# Altium PCB Dust1_Motherboard_STM32WBA5MMG.PcbDoc (part 2 of 2)
Units mm, origin at the board's own origin, x right, y up, seen from the top; angles counter-clockwise.
Board outline 31 x 35.5 mm, 6 copper layers (Top Layer (Signal), Layer 1 (GND), Layer 2 (Signal), Layer 3 (PWR), Layer 4 (GND), Bottom Layer (Signal)), stack 1.49 mm thick; 68 components, 73 nets, 340 pads, 254 vias.
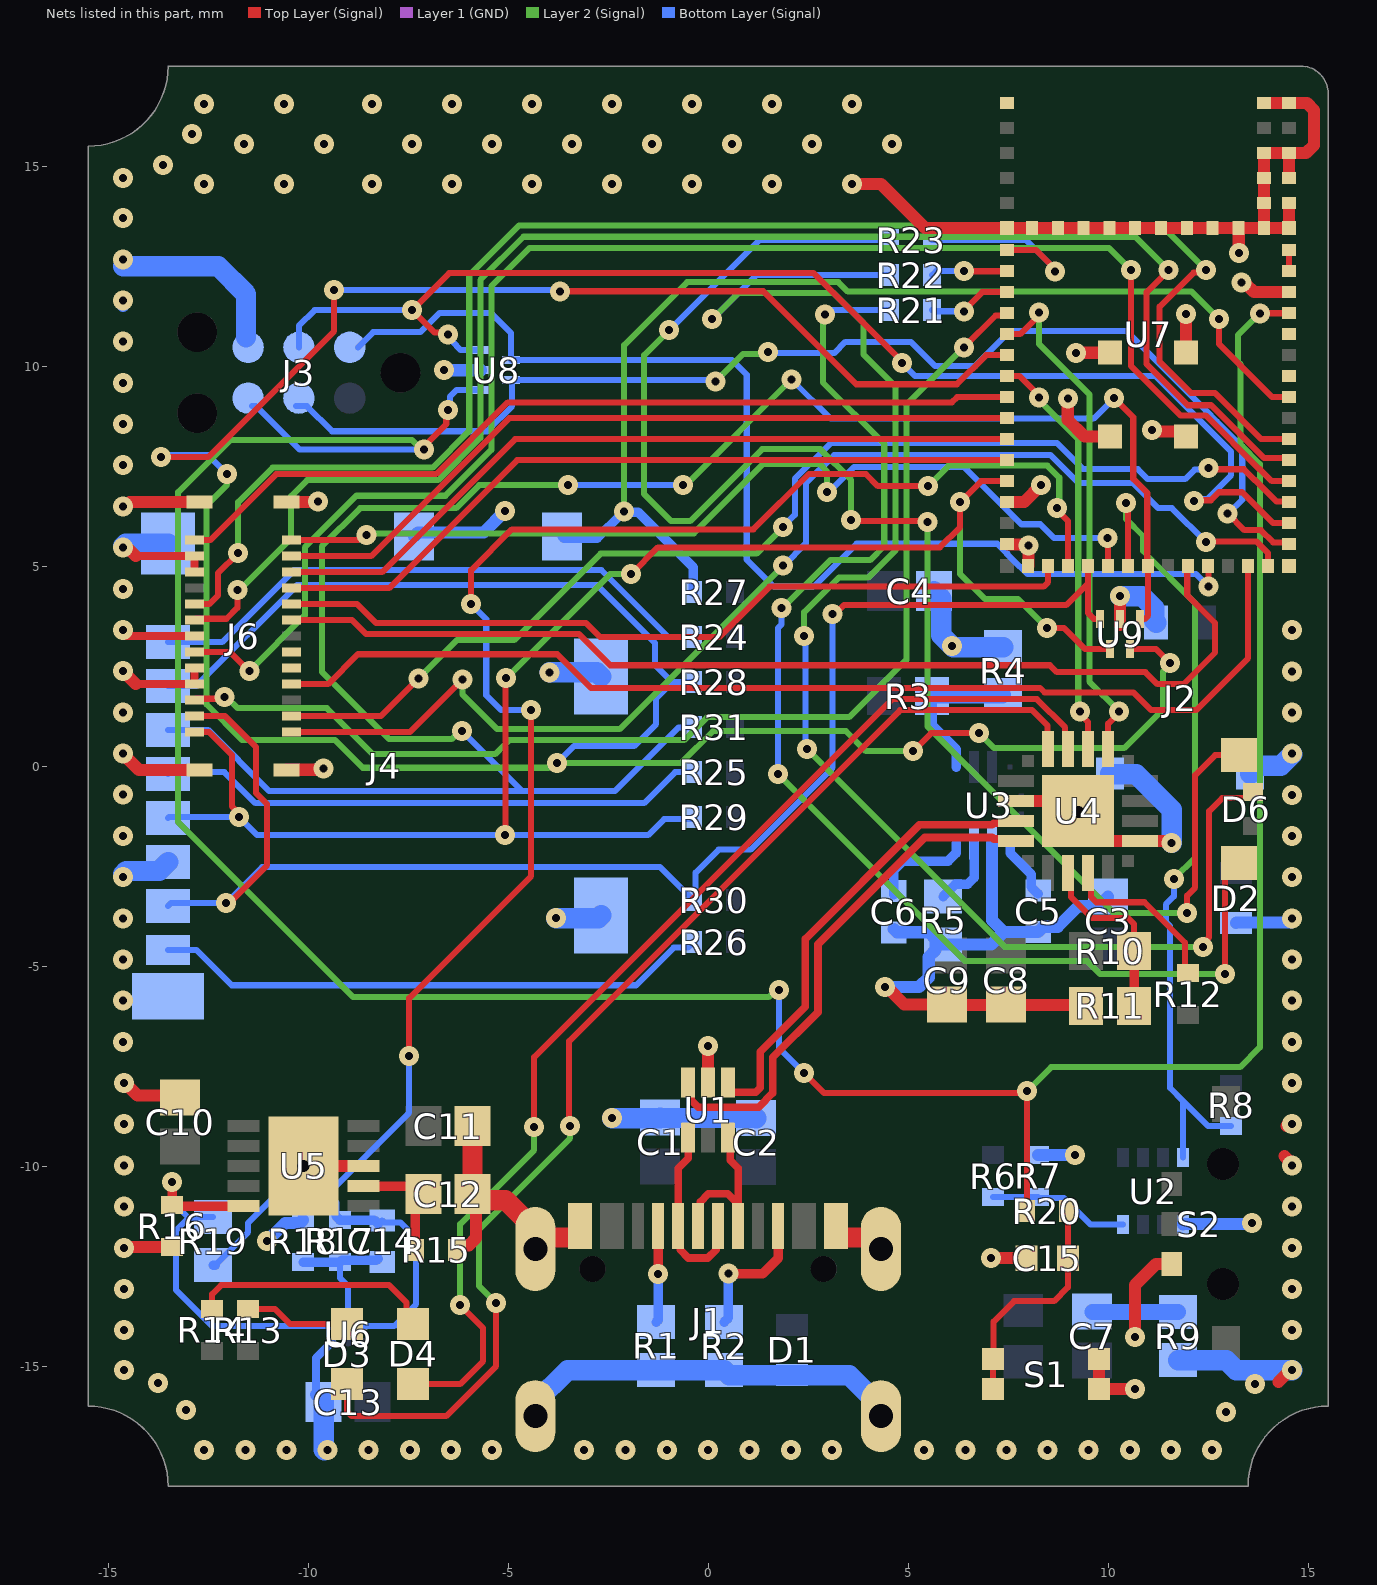
[diagram p6: the nets of this part, all layers, seen from the top]

## Via types
v1: diameter 0.5, hole 0.2, Top Layer (Signal) to Bottom Layer (Signal), tented both sides, 251 vias
v2: diameter 0.7, hole 0.3, Top Layer (Signal) to Bottom Layer (Signal), tented bottom, 2 vias
v3: diameter 0.5, hole 0.2, Top Layer (Signal) to Bottom Layer (Signal), tented bottom, 1 vias

## Nets (pads, with @x,y where several pads share a name; then routed paths per layer and width w, separated by ;. In a path a pad name is that pad's centre, name@x,y a point inside that pad or via, vN(x,y) a via of type N, cw(c..) or ccw(c..) an arc to the next point about the centre after c; other vN are vias at no path point) (continued)
GND: C1.1 C2.1 C3.1 C4.1 C5.2 C6.2 C8.1 C9.1 C10.1 C11.2 C12.1 C13.1 C15.1 D1.2 D2.2 J1.A1_B12 J1.B1_A12 J1.SH1 J1.SH2 J1.SH3 J1.SH4 J2.2 J2.S1 J2.S2 J3.6 J4.6 J4.CD2 J4.G1 J4.G2 J4.G3 J4.G4 J6.17 J6.18 J6.20 J6.24 J6.25 J6.P1 J6.P2 J6.P3 J6.P4 R1.2 R2.1 R4.2 R5.2 R7.2 R9.1 R11.2 R15.2 R16.2 R18.2 S1.A1 S1.A2 S2.1 U1.2 U2.1 U3.8 U4.3 U4.12 U4.21 U5.8 U5.11 U6.A2 U7.1 U7.6 U7.19 U7.21 U7.23 U7.36 U7.45 U7.47 U7.49 U7.52 U7.53 U7.54 U7.55 U7.57 U7.58 U7.60 U7.61 U7.62 U7.63 U7.64 U7.65 U7.66 U7.67 U7.68 U7.69 U7.70 U7.71 U7.72 U7.73 U7.74 U7.75 U7.76 U8.2 U9.2 | length 124.8
  Top Layer (Signal) w0.2: v1@-14.625,3.3 -14.575,3.25 J6.20@-12.838,3.25 ; -14.307,2.05 J6.17@-12.838,2.05 J6.18@-12.838,2.45 ; -14.307,5.25 J6.25@-12.838,5.25 J6.24@-12.838,4.85
  Top Layer (Signal) w0.305: v1@-14.625,0.3 -14.225,-0.1 J6.P1@-12.71,-0.1 ; v1@-14.625,2.3 -14.557,2.3 -14.307,2.05 ; v1@-14.625,5.5 -14.557,5.5 -14.307,5.25 ; v1@-14.625,6.5 -14.557,6.5 -14.457,6.6 J6.P2@-12.71,6.6 ; v1@-14.6,-12.1 -14.556,-12.1 -14.481,-12.025 R16.2@-13.4,-12.025 ; v1@-14.6,-7.9 -14.268,-8.231 -13.259,-8.231 C10.1@-13.2,-8.29 ; J6.P3@-10.54,-0.1 -10.532,-0.092 -9.646,-0.092 v1(-9.617,-0.063) ; J6.P4@-10.54,6.6 v1@-9.771,6.6 ; v2(-10.11,-10) U5.8@-8.61,-10 ; R15.2@-6.275,-12.1 -6.275,-12.05 -6.202,-11.977 -5.979,-11.977 -5.8,-11.799 -5.8,-10.79 C12.1@-5.89,-10.7 ; U1.2@0,-7.91 v1(0,-7) ; v1(3.6,14.55) 4.325,14.55 5.425,13.45 U7.6@7.475,13.45 U7.72@8.1,13.45 U7.71@8.744,13.45 U7.70@9.389,13.45 U7.69@10.033,13.45 U7.68@10.678,13.45 U7.67@11.322,13.45 U7.66@11.967,13.45 U7.65@12.611,13.45 U7.64@13.256,13.45 ; v1(4.425,-5.525) 4.47,-5.525 4.905,-5.96 5.675,-5.96 5.685,-5.97 C8.1@7.2,-5.97 ; v1(7.075,-12.3) C15.1@7.955,-12.3 ; C8.1@7.2,-5.96 7.215,-5.975 9.425,-5.975 R11.2@9.45,-6 ; U7.21@7.475,5.55 7.484,5.541 7.997,5.541 8.006,5.531 v1(8.006,5.517) 8.006,5.006 U7.23@8,5 ; U7.19@7.475,6.6 7.477,6.602 7.902,6.602 v1(8.325,7.025) ; U4.3@7.7,-0.875 8.993,-0.875 v2(9.263,-1.145) 9.991,-1.873 10.798,-1.873 U4.12@10.8,-1.875 11.49,-1.875 11.535,-1.92 v1(11.588,-1.92) ; v1(8.992,9.192) 8.992,8.658 9.41,8.24 U7.74@10.05,8.24 ; v1(9.2,10.325) 9.208,10.333 10.042,10.333 U7.73@10.05,10.34 ; v1@9.6,-17.1 v1@9.6,-17.047 ; S1.A2@9.775,-14.825 S1.A1@9.775,-15.575 v1(10.675,-15.575) ; U9.2@10.3,3.525 U9.2@10.3,3.675 v1(10.3,4.25) ; v1(10.675,-14.275) 10.675,-12.975 11.2,-12.45 S2.1@11.595,-12.45 ; v1(11.1,8.4) 11.137,8.363 11.827,8.363 U7.75@11.95,8.24 ; U7.76@11.95,10.34 v1(11.95,11.3) ; v1(13.275,12.825) 13.265,12.835 13.265,13.44 U7.64@13.256,13.45 ; v1(13.337,12.097) 13.374,12.059 13.442,12.059 13.649,11.852 14.523,11.852 U7.49@14.525,11.85 ; U7.58@13.9,16.575 U7.57@14.525,16.575 14.969,16.575 15.148,16.396 15.148,15.523 14.95,15.325 U7.55@14.525,15.325 ; 14.256,-15.4 14.556,-15.1 v1(14.6,-15.1) ; 14.406,-9.75 14.556,-9.9 v1@14.6,-9.9 ; v1@14.456,-9 14.556,-8.9 v1@14.6,-8.9 ; U7.45@14.525,9.75 U7.45@14.527,9.752 ; U7.53@14.525,14.075 U7.52@14.525,13.45 U7.63@13.9,13.45 ; U7.54@14.525,14.7 U7.55@14.525,15.325 ; U7.64@13.256,13.45 U7.63@13.9,13.45 ; U7.63@13.9,13.45 U7.62@13.9,14.075 U7.61@13.9,14.7 U7.60@13.9,15.325 U7.55@14.525,15.325
  Top Layer (Signal) w0.508: C12.1@-5.89,-10.7 C11.2@-5.89,-9 ; C12.1@-5.8,-10.79 -5.74,-10.85 -5.065,-10.85 -4.32,-11.595 J1.SH1@-4.32,-12.06 ; J1.SH1@-4.32,-12.07 J1.SH1@-4.32,-12.06 ; J1.A1_B12@-3.2,-11.495 -3.2,-11.683 -3.3,-11.783 -4.043,-11.783 J1.SH1@-4.32,-12.06 ; J1.B1_A12@3.2,-11.495 3.2,-11.683 3.3,-11.783 4.043,-11.783 4.32,-12.06 J1.SH2@4.32,-12.07
  Bottom Layer (Signal) w0.2: C13.1@-9.8,-15.71 -9.8,-14.8 U6.A2@-9.4,-14.4
  Bottom Layer (Signal) w0.305: v1(-11.025,-11.875) -10.573,-11.423 -10.198,-11.423 R18.2@-10.125,-11.35 ; C13.1@-9.8,-15.71 C13.1@-9.61,-15.9 ; J4.CD2@-7.35,5.74 -7.25,5.84 -5.61,5.84 v1(-5.075,6.375) ; v1(-6.601,9.898) U8.2@-5.676,9.899 ; v1(4.425,-5.525) 5.275,-5.525 5.517,-5.283 5.517,-4.768 5.685,-4.6 5.685,-4.32 5.517,-4.152 4.721,-4.152 C6.2@4.638,-4.07 ; R5.2@5.875,-4.46 7.075,-4.46 7.39,-4.145 ; U3.8@7.1,-1.927 7.1,-3.855 7.39,-4.145 ; R7.2@8.25,-9.725 v1(9.175,-9.725) ; C3.1@10,-3.265 9.761,-3.504 9.252,-3.504 8.742,-4.014 8.381,-4.014 C5.2@8.25,-4.145 7.39,-4.145 ; U2.1@11.875,-11.463 11.875,-11.446 11.877,-11.444 13.581,-11.444 v1(13.6,-11.425) ; D2.2@13.2,-3.925 13.212,-3.913 14.587,-3.913 v1@14.6,-3.9
  Bottom Layer (Signal) w0.508: v1@-14.625,-2.7 -14.545,-2.62 -13.725,-2.62 J4.6@-13.5,-2.395 ; v1@-14.625,5.5 -14.56,5.565 J4.G1@-13.5,5.565 ; v1@-14.625,12.5 -12.25,12.5 -11.553,11.803 J3.6@-11.553,10.725 ; C13.1@-9.61,-15.9 -9.61,-17.09 v1@-9.6,-17.1 ; J1.SH3@-4.32,-16.25 -4.32,-15.906 -3.514,-15.1 R1.2@-1.3,-15.1 R2.1@0.4,-15.1 0.525,-15.225 D1.2@2.1,-15.225 3.533,-15.225 4.32,-16.012 J1.SH4@4.32,-16.25 ; v1(-3.963,2.343) -3.959,2.347 -2.782,2.347 J4.G4@-2.675,2.24 ; v1(-3.8,-3.8) -2.745,-3.8 J4.G3@-2.675,-3.73 ; v1(-2.4,-8.8) -1.21,-8.8 C1.1@-1.2,-8.79 -1.195,-8.795 1.195,-8.795 C2.1@1.2,-8.8 ; C4.1@5.645,4.375 5.827,4.193 5.827,3.273 6.125,2.975 R4.2@7.375,2.975 ; J2.S2@10.05,-0.188 10.062,-0.2 10.7,-0.2 11.588,-1.088 v1(11.588,-1.92) ; v1(10.3,4.25) 10.856,4.25 11.154,3.952 11.154,3.633 J2.2@11.2,3.587 ; R9.1@11.75,-14.85 12.95,-14.85 13.2,-15.1 v1(14.6,-15.1) ; J2.S1@13.55,-0.188 13.55,-0.138 13.7,0.013 14.313,0.013 v1@14.6,0.3
  other v1: -12.6,-17.1 -11.571,-17.1 -10.543,-17.1 -9.514,-17.1 -8.486,-17.1 -7.457,-17.1 -6.429,-17.1 -5.4,-17.1 -3.1,-17.1 -2.067,-17.1 -1.033,-17.1 0,-17.1 1.033,-17.1 2.067,-17.1 3.1,-17.1 5.4,-17.1 6.429,-17.1 7.457,-17.1 8.486,-17.1 9.514,-17.1 10.543,-17.1 11.571,-17.1 12.6,-17.1 12.95,-16.15 -13.05,-16.1 13.675,-15.45 -13.75,-15.425 -14.6,-15.1 -14.6,-14.1 14.6,-14.1 -14.6,-13.07 14.6,-13.071 -14.6,-12.041 14.6,-12.041 -14.6,-11.011 14.6,-11.012 -14.6,-9.981 14.6,-9.982 -14.6,-8.952 14.6,-8.953 -14.6,-7.922 14.6,-7.924 -14.625,-6.893 14.6,-6.894 -14.625,-5.863 14.6,-5.865 -14.625,-4.833 14.6,-4.835 -14.625,-3.804 14.6,-3.806 -14.625,-2.774 14.6,-2.776 14.6,-1.747 -14.625,-1.744 -14.625,-0.715 14.6,-0.718 14.6,0.312 -14.625,0.315 -14.625,1.344 14.6,1.341 -14.625,2.374 14.6,2.371 6.1,3 -14.625,3.404 14.6,3.4 -14.625,4.433 -14.625,5.463 -14.625,6.493 -9.75,6.621 -14.625,7.522 -14.625,8.552 -14.625,9.581 -14.625,10.611 -14.625,11.641 -14.625,12.67 -14.625,13.7 -12.6,14.55 -10.6,14.55 -8.4,14.55 -6.4,14.55 -4.4,14.55 -2.4,14.55 -0.4,14.55 1.6,14.55 -14.625,14.7 -13.625,15.025 -11.6,15.55 -9.6,15.55 -7.4,15.55 -5.4,15.55 -3.4,15.55 -1.4,15.55 0.6,15.55 2.6,15.55 4.6,15.55 -12.9,15.8 -12.6,16.55 -10.6,16.55 -8.4,16.55 -6.4,16.55 -4.4,16.55 -2.4,16.55 -0.4,16.55 1.6,16.55 3.6,16.55
HFb1: J6.21 U7.41 | length 39
  Top Layer (Signal) w0.152: J6.21@-12.838,3.65 -12.804,3.684 -12.041,3.684 -11.77,3.955 v1(-11.77,4.4) ; v1(11.513,12.4) 10.964,11.851 10.964,10.049 11.99,9.023 12.576,9.023 13.898,7.7 14.475,7.7 U7.41@14.525,7.65
  Layer 2 (Signal) w0.152: v1(-11.77,4.4) -11.725,4.4 -10.425,5.7 -10.425,6.75 -10.025,7.15 -6.75,7.15 -5.694,8.206 -5.694,12.156 -4.615,13.235 10.678,13.235 v1(11.513,12.4)
HFb2: J6.22 U7.42 | length 40
  Top Layer (Signal) w0.152: J6.22@-12.838,4.05 -12.467,4.05 -12.254,4.263 -12.254,4.821 v1(-11.75,5.325) ; v1(12.45,12.4) 12.389,12.339 12.139,12.339 11.287,11.487 11.287,10.113 12.075,9.325 12.675,9.325 13.825,8.175 U7.42@14.525,8.175
  Layer 2 (Signal) w0.152: v1(-11.75,5.325) -11.75,6.603 -10.888,7.465 -6.887,7.465 -5.971,8.381 -5.971,12.271 -4.73,13.512 11.338,13.512 v1(12.45,12.4)
ILIM: R16.1 R19.1 U5.5 U6.A1 | length 10.6
  Top Layer (Signal) w0.237: R16.1@-13.4,-10.975 -13.375,-11 U5.5@-11.61,-11 ; v1(-13.4,-10.4) -13.4,-10.95 R16.1@-13.387,-10.963
  Bottom Layer (Signal) w0.152: v1(-13.4,-10.4) -13.4,-10.879 -13.004,-11.275 ; R19.1@-12.774,-11.275 R19.1@-12.375,-11.275 -12.764,-11.275 -12.774,-11.285 -12.774,-11.289 -12.989,-11.289 -13.3,-11.6 -13.3,-13.1 -12.4,-14 U6.A1@-9.4,-14
LT3045_IOUT: C14.2 R17.1 R19.2 U6.C1 U7.25 | length 47
  Top Layer (Signal) w0.152: v1(-7.475,-7.25) -7.475,-5.8 -4.425,-2.75 v1(-4.425,1.4) ; v1(-5.925,4.05) -5.925,4.9 -4.908,5.917 1.133,5.917 2.519,7.303 3.944,7.303 4.245,7.002 v1(5.495,7.002) ; v1(8.725,6.45) 8.725,6.399 9,6.124 U7.25@9,5
  Layer 2 (Signal) w0.152: v1(5.495,7.002) 5.502,7.002 6.012,7.512 8.479,7.512 8.778,7.213 8.778,6.503 v1(8.725,6.45)
  Bottom Layer (Signal) w0.152: R19.2@-12.325,-12.475 -11.501,-11.651 -11.501,-11.418 -10.782,-10.7 -9.511,-10.7 ; R17.1@-9.297,-11.258 -9.297,-10.914 -9.511,-10.7 ; U6.C1@-8.6,-14 -7.85,-14 -7.3,-13.45 -7.3,-11.8 -7.693,-11.407 -8.098,-11.407 C14.2@-8.15,-11.355 ; v1(-7.475,-7.25) -7.475,-8.664 -9.511,-10.7 ; v1(-5.925,4.05) -5.548,3.673 -5.548,1.773 -5.175,1.4 v1(-4.425,1.4)
  Bottom Layer (Signal) w0.237: R19.2@-12.375,-12.475 R19.2@-12.325,-12.475 ; R17.1@-9.297,-11.258 R17.1@-9.205,-11.35 -8.341,-11.35 -8.25,-11.441 C14.2@-8.25,-11.455
MUX_STATUS: R8.1 U2.8 U7.28 | length 20.6
  Top Layer (Signal) w0.152: v1(10.45,6.575) 10.5,6.525 U7.28@10.5,5
  Layer 2 (Signal) w0.152: v1(10.45,6.575) 10.45,6.175 10.871,5.754 10.871,5.379 12.175,4.075 12.175,-2.287 v1(11.644,-2.818)
  Bottom Layer (Signal) w0.152: v1(11.644,-2.818) 11.644,-3.258 11.446,-3.456 11.446,-3.894 11.547,-3.995 11.547,-8.046 11.875,-8.374 ; U2.8@11.875,-9.787 11.875,-8.374 ; R8.1@13.075,-9 12.501,-9 11.875,-8.374
NetC5_1: C5.1 U3.7 | length 1.6
  Bottom Layer (Signal) w0.237: U3.7@7.55,-1.927 7.55,-2.175 8.076,-2.701 8.076,-3.021 C5.1@8.25,-3.195
NetC6_1: C6.1 U3.10 | length 2.6
  Bottom Layer (Signal) w0.237: C6.1@4.638,-3.21 4.638,-2.612 4.875,-2.375 6,-2.375 6.2,-2.175 U3.10@6.2,-1.927
NetC7_1: C7.1 R9.2 | length 2.1
  Bottom Layer (Signal) w0.4: C7.1@9.61,-13.65 R9.2@11.75,-13.65
NetC12_2: C12.2 R15.1 U5.7 | length 3.1
  Top Layer (Signal) w0.237: U5.7@-8.61,-10.5 -7.31,-10.5 C12.2@-7.11,-10.7 -7.325,-10.915 R15.1@-7.325,-12.1
NetC14_1: C14.1 R17.2 R18.1 U6.B1 | length 3.6
  Bottom Layer (Signal) w0.152: R17.2@-9.205,-12.4 -9.205,-12.795 -9,-13 U6.B1@-9,-14
  Bottom Layer (Signal) w0.237: R18.1@-10.125,-12.4 R17.2@-9.205,-12.4 -9.163,-12.358 -8.293,-12.358 C14.1@-8.25,-12.315
NetC15_2: C15.2 R20.1 S1.B1 S1.B2 | length 5.8
  Top Layer (Signal) w0.152: S1.B1@7.125,-15.575 S1.B2@7.125,-14.825 7.139,-14.811 7.139,-13.886 7.65,-13.375 8.65,-13.375 8.995,-13.03 C15.2@8.995,-12.3 R20.1@8.995,-11.13
NetD3_1: D3.1 R13.1 | length 2.6
  Top Layer (Signal) w0.152: R13.1@-11.5,-13.575 -10.825,-13.575 -10.45,-13.95 D3.1@-9.025,-13.95
NetD3_2: D3.2 U4.20 | length 30.4
  Top Layer (Signal) w0.152: D3.2@-9.025,-15.45 -9.025,-16.137 -8.912,-16.25 -6.55,-16.25 -5.3,-15 v1(-5.3,-13.425) ; v1(-3.45,-9) -3.475,-8.975 -3.475,-6.875 4.8,1.4 8.1,1.4 8.488,1.012 8.488,0.437 U4.20@8.5,0.425
  Layer 2 (Signal) w0.152: v1(-5.3,-13.425) -5.725,-13 -5.725,-11.575 -3.451,-9.301 v1@-3.451,-9.001
NetD4_1: D4.1 R14.1 | length 6.1
  Top Layer (Signal) w0.152: R14.1@-12.4,-13.575 -12.4,-13.2 -12.175,-12.975 -7.975,-12.975 -7.539,-13.411 -7.539,-13.786 D4.1@-7.375,-13.95
NetD4_2: D4.2 U4.19 | length 28.4
  Top Layer (Signal) w0.152: D4.2@-7.375,-15.45 -6.2,-15.45 -5.625,-14.875 -5.625,-14.05 v1(-6.2,-13.475) ; v1(-4.351,-9.017) -4.351,-7.276 4.602,1.677 8.215,1.677 8.925,0.967 8.925,0.5 U4.19@9,0.425
  Layer 2 (Signal) w0.152: v1(-6.2,-13.475) -6.2,-11.45 -4.351,-9.601 v1(-4.351,-9.017)
NetD6_1: D6.1 R21.2 | length 31.7
  Top Layer (Signal) w0.152: v1(12.92,-5.2) 12.92,-2.774 13.268,-2.425 D6.1@13.275,-2.425
  Layer 2 (Signal) w0.152: v1(1.75,-0.2) 6.425,-4.875 9.476,-4.875 9.801,-5.2 v1(12.92,-5.2) ; v1(1.838,3.957) 1.865,3.957 3.058,5.15 4.05,5.15 4.403,5.503 4.403,8.059 2.872,9.59 2.872,11.248 v1(2.92,11.296)
  Bottom Layer (Signal) w0.152: v1(1.75,-0.2) 1.75,3.457 1.838,3.545 v1(1.838,3.957) ; v1(2.92,11.296) 3.014,11.296 3.118,11.4 R21.2@4.55,11.4
NetD6_3: D6.3 R22.2 | length 38.4
  Top Layer (Signal) w0.152: v1(12.375,-4.525) 12.375,-4.431 12.525,-4.281 12.525,-1.123 12.848,-0.8 13.475,-0.8 D6.3@13.625,-0.65
  Layer 2 (Signal) w0.152: v1(0.1,11.175) 0.75,11.825 3.139,11.825 3.882,11.082 3.882,10.295 4.68,9.497 4.68,5.388 4.007,4.715 3.268,4.715 2.4,3.847 v1(2.4,3.254) ; v1(2.475,0.425) 7.425,-4.525 v1(12.375,-4.525)
  Bottom Layer (Signal) w0.152: v1(0.1,11.175) 1.2,12.275 R22.2@4.55,12.275 ; v1(2.4,3.254) 2.437,3.217 2.437,0.463 v1(2.475,0.425)
NetD6_4: D6.4 R23.2 | length 38.6
  Top Layer (Signal) w0.152: v1(3.575,6.153) 3.603,6.125 5.461,6.125 v1(5.486,6.1) ; v1(11.975,-3.675) 11.975,-3.235 12.173,-3.037 12.173,-0.227 12.675,0.275 D6.4@13.275,0.275
  Layer 2 (Signal) w0.152: v1(-0.975,10.9) -1.6,10.275 -1.6,6.8 -0.925,6.125 -0.45,6.125 1.35,7.925 2.808,7.925 3.575,7.158 v1(3.575,6.153) ; v1(5.486,6.1) 5.486,0.989 10.15,-3.675 v1(11.975,-3.675)
  Bottom Layer (Signal) w0.152: v1(-0.975,10.9) 1.275,13.15 R23.2@4.55,13.15
NetJ1_A5: J1.A5 R1.1 | length 2.4
  Top Layer (Signal) w0.237: v1(-1.25,-12.7) J1.A5@-1.25,-11.495
  Bottom Layer (Signal) w0.237: R1.1@-1.3,-13.9 -1.25,-13.85 v1(-1.25,-12.7)
NetJ1_B5: J1.B5 R2.2 | length 3.5
  Top Layer (Signal) w0.237: v1(0.507,-12.687) 1.371,-12.687 1.75,-12.308 J1.B5@1.75,-11.495
  Bottom Layer (Signal) w0.237: R2.2@0.4,-13.9 0.507,-13.793 v1(0.507,-12.687)
NetJ4_1: J4.1 R24.1 | length 14.6
  Bottom Layer (Signal) w0.152: J4.1@-13.5,3.105 -13.495,3.1 -12.15,3.1 -10.35,4.9 -2.666,4.9 -0.991,3.225 R24.1@-0.375,3.225
NetJ4_4: J4.4 R25.1 | length 13.8
  Bottom Layer (Signal) w0.152: J4.4@-13.5,-0.195 -13.455,-0.15 -12.094,-0.15 -11.319,-0.925 -1.6,-0.925 -0.825,-0.15 R25.1@-0.375,-0.15
NetJ4_8: J4.8 R26.1 | length 13.9
  Bottom Layer (Signal) w0.152: J4.8@-13.5,-4.595 -12.792,-4.595 -11.91,-5.477 -1.802,-5.477 -0.862,-4.537 -0.512,-4.537 R26.1@-0.375,-4.4
NetJ6_5: J6.5
NetJ6_6: J6.6
NetR3_2: R3.2 R4.1 U3.1 | length 3.8
  Bottom Layer (Signal) w0.237: R3.2@5.6,1.75 5.6,1.025 6.2,0.425 U3.1@6.2,-0.022
  Bottom Layer (Signal) w0.4: R3.2@5.6,1.75 5.613,1.762 7.362,1.762 R4.1@7.375,1.775
NetR5_1: R5.1 U3.9 | length 1.8
  Bottom Layer (Signal) w0.237: R5.1@5.875,-3.26 6.182,-2.954 6.486,-2.954 6.65,-2.79 U3.9@6.65,-1.927
NetR6_2: R6.2 R7.1 U2.4 | length 3.5
  Bottom Layer (Signal) w0.152: R6.2@7.125,-10.775 R7.1@8.25,-10.775 8.275,-10.8 8.9,-10.8 9.563,-11.463 U2.4@10.375,-11.463
NetR10_2: R10.2 R11.1 U4.8 | length 4.5
  Top Layer (Signal) w0.152: U4.8@9,-2.675 9.075,-2.75 9.075,-3.275 9.6,-3.8 10.5,-3.8 10.65,-3.95 R10.2@10.65,-4.625
  Top Layer (Signal) w0.237: R11.1@10.65,-6 R10.2@10.65,-4.625
NetR12_1: R12.1 U4.9 | length 4.2
  Top Layer (Signal) w0.152: U4.9@9.5,-2.675 9.575,-2.75 9.575,-3.275 9.703,-3.403 10.91,-3.403 11.922,-4.415 11.922,-5.097 R12.1@12,-5.175
NetU4_17: U4.17 U7.11 | length 12.9
  Top Layer (Signal) w0.152: U7.11@7.475,10.8 7.8,10.8 8.275,11.275 v1(8.275,11.335) ; U4.17@10,0.425 10,1.062 10.275,1.337 v1(10.275,1.371)
  Layer 2 (Signal) w0.152: v1(8.275,11.335) 8.275,10.55 9.531,9.294 9.531,2.115 v1(10.275,1.371)
NetU4_18: U4.18 U7.13 | length 10.3
  Top Layer (Signal) w0.152: U7.13@7.475,9.75 7.787,9.75 8.275,9.262 v1(8.275,9.217) ; v1(9.293,1.371) 9.293,1.307 9.5,1.1 U4.18@9.5,0.425
  Layer 2 (Signal) w0.152: v1(8.275,9.217) 8.275,9.149 9.254,8.17 9.254,1.41 v1(9.293,1.371)
NetU7_50: U7.50 U7.51 | length 0.5
  Top Layer (Signal) w0.152: U7.50@14.525,12.375 U7.51@14.525,12.9
NRST: J3.5 R20.2 U7.48 U8.1 | length 76
  Top Layer (Signal) w0.152: v1(-7.1,7.918) -7.1,8 -6.548,8.552 -6.548,8.852 v1(-6.5,8.9) ; v1(2.4,-7.675) 2.9,-8.175 7.925,-8.175 v1(7.975,-8.125) R20.2@7.975,-11.1 ; v1(13.8,11.321) 13.802,11.323 14.523,11.323 U7.48@14.525,11.325
  Layer 2 (Signal) w0.152: v1(-7.1,7.918) -7.17,7.918 -7.402,8.15 -11.95,8.15 -13.25,6.85 -13.25,-1.4 -8.875,-5.775 1.512,-5.775 1.687,-5.6 v1(1.775,-5.6) ; v1(7.975,-8.125) 8.575,-7.525 13.3,-7.525 13.794,-7.031 13.794,7.548 13.312,8.03 13.312,9.998 ; 13.311,9.999 13.311,10.046 13.246,10.111 13.246,10.771 13.796,11.321 v1(13.8,11.321)
  Bottom Layer (Signal) w0.152: J3.5@-11.4,9 -11.3,9 -10.218,7.918 v1(-7.1,7.918) ; v1(-6.5,8.9) -6.452,8.948 -6.452,9.242 -6.294,9.4 U8.1@-5.675,9.4 ; v1(1.775,-5.6) 1.775,-7.05 v1(2.4,-7.675)
OUT_D: J6.4 U7.34 | length 27.6
  Top Layer (Signal) w0.152: J6.4@-10.413,2.05 -9.5,2.05 -8.754,2.796 -3.771,2.796 -2.929,1.954 8.297,1.954 8.409,1.842 10.633,1.842 11.075,1.4 12.2,1.4 13.5,2.7 U7.34@13.5,5
OUT_N: J6.2 U7.39 | length 29.1
  Top Layer (Signal) w0.152: J6.2@-10.413,1.25 -8.183,1.25 v1(-7.236,2.197) ; v1(12.511,7.459) 12.546,7.423 13.392,7.423 13.669,7.146 13.679,7.146 14.213,6.612 14.513,6.612 U7.39@14.525,6.6
  Layer 2 (Signal) w0.152: v1(-7.236,2.197) -6.283,3.15 -4.85,3.15 -2.688,5.312 1.212,5.312 v1(1.875,5.975)
  Bottom Layer (Signal) w0.152: v1(1.875,5.975) 1.875,5.988 2.169,6.282 2.169,7.184 3.06,8.075 8.725,8.075 9.375,7.425 10.74,7.425 10.99,7.175 11.925,7.175 12.161,7.411 12.463,7.411 v1(12.511,7.459)
OUT_P: J6.1 U7.35 | length 30.8
  Top Layer (Signal) w0.152: J6.1@-10.413,0.85 -7.458,0.85 v1(-6.136,2.172) ; v1(12.448,5.597) 12.471,5.621 13.704,5.621 14,5.325 U7.35@14,5
  Layer 2 (Signal) w0.152: v1(-6.136,2.172) -6.136,1.786 -5.275,0.925 -2.215,0.925 v1(1.875,5.015)
  Bottom Layer (Signal) w0.152: v1(1.875,5.015) 1.89,5.015 2.446,5.571 2.446,7.069 3.152,7.775 8.564,7.775 9.264,7.075 10.625,7.075 11.25,6.45 11.595,6.45 v1(12.448,5.597)
RESET_ch_read: J6.19 U7.40 | length 39.2
  Top Layer (Signal) w0.152: J6.19@-12.838,2.85 -11.95,2.85 -11.483,2.383 v1(-11.462,2.383) ; v1(10.575,12.4) 10.575,10 11.806,8.769 12.438,8.769 13.784,7.423 13.794,7.423 14.092,7.125 U7.40@14.525,7.125
  Layer 2 (Signal) w0.152: v1(-11.462,2.383) -11.462,2.388 -10.082,3.768 -10.082,5.468 -8.792,6.758 -6.567,6.758 -5.417,7.908 -5.417,12 -4.459,12.958 10.017,12.958 v1(10.575,12.4)
RESET_DCC: J6.8 U7.31 | length 26.5
  Top Layer (Signal) w0.152: J6.8@-10.413,3.65 -8.9,3.65 -8.554,3.304 -3.229,3.304 -2.447,2.522 8.545,2.522 8.717,2.35 10.932,2.35 11.232,2.05 11.884,2.05 12.675,2.841 12.675,3.575 11.978,4.272 11.978,4.978 U7.31@12,5
S0ck: J6.26 U7.14 | length 21.8
  Top Layer (Signal) w0.152: J6.26@-12.838,5.65 -12.447,5.65 -10.797,7.3 -6.8,7.3 -5.008,9.092 6.092,9.092 6.225,9.225 U7.14@7.475,9.225
S1: J6.12 U7.15 | length 19.3
  Top Layer (Signal) w0.152: J6.12@-10.413,5.25 -8.425,5.25 -4.975,8.7 U7.15@7.475,8.7
S2: J6.11 U7.16 | length 19.3
  Top Layer (Signal) w0.152: J6.11@-10.413,4.85 -8.15,4.85 -4.825,8.175 U7.16@7.475,8.175
S3: J6.10 U7.17 | length 19.2
  Top Layer (Signal) w0.152: J6.10@-10.413,4.45 -7.975,4.45 -4.775,7.65 U7.17@7.475,7.65
S4: J6.9 U7.24 | length 20.2
  Top Layer (Signal) w0.152: J6.9@-10.413,4.05 -8.775,4.05 -8.3,3.575 -3.05,3.575 -2.7,3.225 0.275,3.225 1.536,4.486 8.386,4.486 8.5,4.6 U7.24@8.5,5
SD_CARD_DETECT: J4.CD1 R27.1 U7.44 | length 27.8
  Top Layer (Signal) w0.152: v1(12.775,11.175) 12.775,10.552 13.246,10.081 14.102,9.225 U7.44@14.525,9.225
  Layer 2 (Signal) w0.152: v1(-2.1,6.37) -2.1,10.525 -0.523,12.102 3.254,12.102 3.494,11.862 12.088,11.862 v1(12.775,11.175)
  Bottom Layer (Signal) w0.237: J4.CD1@-3.65,5.74 -3.61,5.7 -2.77,5.7 -2.16,6.31 v1(-2.1,6.37) -2.074,6.344 -1.744,6.344 -0.375,4.975 R27.1@-0.375,4.35
SEL: J6.13 U7.27 | length 23.5
  Top Layer (Signal) w0.152: J6.13@-10.413,5.65 -8.76,5.65 -8.638,5.772 v1(-8.543,5.772) ; v1(9.984,5.7) 9.992,5.692 9.992,5.008 U7.27@10,5
  Layer 2 (Signal) w0.152: v1(-8.543,5.772) -8.496,5.82 -0.355,5.82 1.379,7.554 2.787,7.554 2.975,7.366 v1(2.975,6.85)
  Bottom Layer (Signal) w0.152: v1(2.975,6.85) 3.018,6.85 3.643,7.475 6.404,7.475 7.833,6.046 8.304,6.046 8.65,5.7 v1(9.984,5.7)
SPI3_CS_DT: J6.16 U7.10 | length 29.2
  Top Layer (Signal) w0.152: J6.16@-12.838,1.65 -12.803,1.685 -12.129,1.685 v1(-12.085,1.729) ; v1(6.396,10.471) 7.191,11.266 7.416,11.266 U7.10@7.475,11.325
  Layer 2 (Signal) w0.152: v1(-12.085,1.729) -12.041,1.729 -11.763,1.45 -9.535,1.45 -8.385,0.3 -5.325,0.3 -4.975,0.65 -0.6,0.65 -0.025,1.225 3.525,1.225 4.957,2.657 4.957,9.032 v1(6.396,10.471)
SPI3_CS_SD: J4.2 R28.2 U7.12 U9.5 | length 80.5
  Top Layer (Signal) w0.152: v1(-13.675,7.725) -12.5,7.725 -9.35,10.875 v1(-9.35,11.9) ; v1(-3.7,11.872) 1.378,11.872 3.704,9.546 6.219,9.546 6.948,10.275 U7.12@7.475,10.275 ; v1(5.125,0.375) 5.575,0.825 v1(6.775,0.825) ; U9.5@10.55,2.925 11.2,2.925 v1(11.55,2.575)
  Layer 2 (Signal) w0.152: v1(-12.025,7.3) -12.025,7.038 -12.538,6.525 -12.538,1.541 -11.647,0.65 -9.325,0.65 -8.634,-0.041 -3.991,-0.041 -3.869,0.081 -0.669,0.081 0.128,0.878 3.443,0.878 3.946,0.375 v1(5.125,0.375) ; v1(6.775,0.825) 7.15,0.45 10.4,0.45 11.375,1.425 11.375,2.362 11.55,2.537 v1(11.55,2.575)
  Bottom Layer (Signal) w0.152: v1(-13.675,7.725) -13.625,7.775 -12.5,7.775 v1(-12.025,7.3) ; J4.2@-13.5,2.005 -12.795,2.005 -10.275,4.525 -2.775,4.525 -1.325,3.075 -1.325,2.525 -0.9,2.1 ; v1(-9.35,11.9) -3.728,11.9 v1(-3.7,11.872) ; v1(-3.775,0.081) -3.356,0.5 -1.85,0.5 -1.3,1.05 -1.3,1.7 -0.9,2.1 ; R28.2@-0.375,2.1 -0.9,2.1
SPI3_MISO: J4.7 J6.15 R30.2 U7.26 U9.3 | length 37.5
  Top Layer (Signal) w0.152: J6.15@-12.838,1.25 -12.075,1.25 -11.3,0.475 -11.3,-0.673 -11.025,-0.948 -11.025,-2.475 v1@-11.975,-3.425 ; v1(3.113,3.803) 3.172,3.803 3.394,4.025 8.95,4.025 9.5,4.575 ; U7.26@9.5,5 9.5,4.889 9.5,4.575 ; U9.3@9.775,3.675 9.65,3.675 9.5,3.825 9.5,4.575
  Bottom Layer (Signal) w0.152: J4.7@-13.5,-3.495 -13.43,-3.425 v1(-12.05,-3.425) -11.15,-2.525 -1.2,-2.525 R30.2@-0.375,-3.35 ; R30.2@-0.425,-3.4 -0.313,-3.288 -0.313,-2.663 0.264,-2.086 1.064,-2.086 3.113,-0.037 v1(3.113,3.803)
SPI3_MOSI: J4.3 R31.2 U7.29 U9.1 | length 52.2
  Top Layer (Signal) w0.152: v1(10.15,9.2) 10.628,8.722 10.628,7.976 ; 10.627,7.976 10.627,7.181 10.979,6.83 10.979,5.021 U7.29@11,5 11,3.763 10.912,3.675 U9.1@10.825,3.675 ; U9.1@10.8,3.525 U9.1@10.8,3.65
  Layer 2 (Signal) w0.152: v1(-6.15,0.875) -6.213,0.875 -6.413,0.675 -7.975,0.675 -9.656,2.356 -9.656,5.494 -8.7,6.45 -6.3,6.45 -5.725,7.025 v1(-3.5,7.025) ; v1(-0.625,7.025) -0.562,7.025 2.078,9.666 v1(2.084,9.666)
  Bottom Layer (Signal) w0.152: J4.3@-13.5,0.905 -12.502,0.905 -10.972,-0.625 -4.75,-0.625 -4.675,-0.625 ; v1(-6.15,0.875) -4.675,-0.6 -4.675,-0.625 ; v1(-3.5,7.025) v1(-0.625,7.025) ; R31.2@-0.375,0.975 -0.382,0.968 -0.737,0.968 -2.331,-0.625 -4.675,-0.625 ; v1(2.084,9.666) 3.062,8.688 9.638,8.688 v1(10.15,9.2)
SPI3_SCK: J4.5 J6.14 R29.2 U7.18 U9.4 | length 41.7
  Top Layer (Signal) w0.152: J6.14@-12.838,0.85 -12.836,0.848 -12.473,0.848 -11.9,0.275 -11.9,-1.012 -11.725,-1.187 v1(-11.725,-1.275) ; v1(-5.075,-1.725) -5.062,-1.713 -5.062,2.188 v1(-5.05,2.2) ; v1(-1.925,4.8) -1.257,5.468 5.793,5.468 6.3,5.975 v1(6.3,6.6) 6.825,7.125 U7.18@7.475,7.125 ; v1(8.475,3.45) 8.9,3.45 9.425,2.925 U9.4@10.05,2.925
  Layer 1 (GND) w0.152: v1(8.475,3.45) 8.475,3.518 v1@8.535,3.578
  Layer 2 (Signal) w0.152: v1(-5.05,2.2) -2.45,4.8 v1(-1.925,4.8) ; v1(6.3,6.6) 6.3,4.8 6.917,4.183 7.742,4.183 v1(8.475,3.45)
  Bottom Layer (Signal) w0.152: J4.5@-13.5,-1.295 -13.48,-1.275 v1(-11.725,-1.275) -11.275,-1.725 -1.5,-1.725 -1.1,-1.325 -0.425,-1.325 R29.2@-0.375,-1.275
SYS_JTCK-SWCLK: J3.3 U7.37 U8.5 | length 30.7
  Top Layer (Signal) w0.152: v1(12.988,6.317) 13.404,5.901 13.816,5.901 14.125,5.592 14.483,5.592 U7.37@14.525,5.55
  Layer 2 (Signal) w0.152: v1(0.188,9.621) 0.869,10.302 1.452,10.302 v1(1.5,10.35)
  Bottom Layer (Signal) w0.152: J3.3@-10.3,9 -10.03,9 -9.401,8.371 -5.529,8.371 -4.9,9 -4.9,9.625 -4.875,9.65 0.158,9.65 v1(0.188,9.621) ; v1(1.5,10.35) 1.525,10.325 3.154,10.325 3.433,10.604 5.069,10.604 5.669,10.004 6.677,10.004 7.555,10.882 10.448,10.882 12.436,8.894 12.72,8.61 13.352,7.978 13.352,6.66 13.009,6.317 v1(12.988,6.317)
SYS_JTDO_SWO: J3.2 U7.32 U8.4 | length 29
  Top Layer (Signal) w0.152: U7.32@12.5,5 12.506,4.994 12.506,4.492 v1(12.512,4.487)
  Bottom Layer (Signal) w0.152: J3.2@-8.751,10.47 -8.371,10.85 -7.193,10.85 -6.719,11.323 -5.423,11.323 -4.925,10.825 U8.4@-4.925,10.15 0.6,10.15 0.965,9.785 0.965,5.161 1.641,4.486 2.636,4.486 3.71,5.56 7.229,5.56 7.477,5.312 7.477,5.298 7.787,4.988 7.801,4.988 7.989,4.8 12.198,4.8 v1(12.512,4.487)
SYS_JTMS-SWDIO: J3.4 U7.38 U8.3 | length 33
  Top Layer (Signal) w0.152: v1(-6.5,10.794) -6.548,10.842 -6.842,10.842 v1(-7.4,11.4) -6.475,12.325 2.639,12.325 4.85,10.114 v1(4.85,10.075) ; v1(12.145,6.631) 12.16,6.647 12.57,6.647 12.769,6.846 13.352,6.846 14.123,6.075 U7.38@14.525,6.075
  Bottom Layer (Signal) w0.152: J3.4@-10.23,10.47 -10.23,11.01 -9.84,11.4 v1(-7.4,11.4) ; v1(-6.5,10.794) -6.5,10.727 -6.293,10.52 -6.293,10.506 -6.187,10.4 U8.3@-5.675,10.4 ; v1(4.85,10.075) 5.175,9.75 11.188,9.75 13.075,7.863 13.075,7.275 12.474,6.674 12.187,6.674 v1(12.145,6.631)
TIM3_CH1: R23.1 U7.7 | length 4.9
  Top Layer (Signal) w0.152: U7.7@7.475,12.9 8.2,12.9 8.675,12.425 v1(8.675,12.367)
  Bottom Layer (Signal) w0.152: R23.1@5.6,13.15 7.95,13.15 8.675,12.425 v1(8.675,12.367)
TIM3_CH2: R22.1 U7.8 | length 1.9
  Top Layer (Signal) w0.152: v1(6.4,12.375) 6.404,12.371 U7.8@7.471,12.371
  Bottom Layer (Signal) w0.152: R22.1@5.6,12.275 5.7,12.375 v1(6.4,12.375)
TIM3_CH3: R21.1 U7.9 | length 2.1
  Top Layer (Signal) w0.152: v1(6.4,11.371) 6.4,11.4 6.85,11.85 U7.9@7.475,11.85
  Bottom Layer (Signal) w0.152: R21.1@5.6,11.4 5.629,11.371 v1(6.4,11.371)
USB1_N: J1.A7 J1.B7 U1.4 | length 4.9
  Top Layer (Signal) w0.192: U1.4@-0.5,-9.29 -0.5,-9.8 -0.75,-10.05 J1.B7@-0.75,-11.495 -0.7,-11.545 -0.7,-12.091 -0.494,-12.297 -0.006,-12.297 0.2,-12.091 0.2,-11.295 J1.A7@0.25,-11.245
USB1_P: J1.A6 J1.B6 U1.6 | length 4.1
  Top Layer (Signal) w0.192: J1.A6@-0.25,-11.495 -0.2,-11.445 -0.2,-10.899 0.006,-10.693 0.494,-10.693 0.7,-10.899 0.7,-11.195 0.75,-11.245 0.75,-10.05 0.553,-9.853 0.553,-9.343 U1.6@0.5,-9.29
USB_N: U1.3 U4.5 | length 13
  Top Layer (Signal) w0.192: U1.3@-0.5,-7.91 -0.421,-7.989 -0.421,-8.354 -0.25,-8.525 1.265,-8.525 1.619,-8.171 1.619,-7.278 2.746,-6.151 2.746,-4.455 5.417,-1.784 7.102,-1.784 7.139,-1.821 7.646,-1.821 U4.5@7.7,-1.875
USB_P: U1.1 U4.4 | length 11.7
  Top Layer (Signal) w0.192: U1.1@0.5,-7.91 0.5,-8.072 0.579,-8.151 1.188,-8.151 1.3,-8.038 1.3,-7.146 2.427,-6.018 2.427,-4.323 5.284,-1.466 7.102,-1.466 7.139,-1.429 7.646,-1.429 U4.4@7.7,-1.375
pads on no net: J1. J1.A8 J1.B8 J3. S2. S2.S1 S2.S2 U3.2 U3.3 U3.4 U4.1 U4.2 U4.10 U4.11 U4.13 U4.14 U4.15 U4.16 U5.4 U6.C2 U7.2 U7.3 U7.4 U7.5 U7.56 U7.59

## Polygon pours and split planes (outlines as drawn)
GND on Bottom Layer (Signal) "GND2 bottom layer" (solid, pour order 17): -15,15.045 ccw(c-15.019,16.994) -13.07,16.994 -12.119,16.994 -12.119,16.634 cw(c-14.659,16.634) -14.659,14.094 -15,14.094
GND on Bottom Layer (Signal) "NONET_L-01_P-001" (solid, pour order 10): -13.06,-17.551 -13.06,-16.751 13.083,-16.751 13.083,-17.551
"+5V EXT" on Bottom Layer (Signal) "GND2 bottom layer" (solid, pour order 0): 12.7,3.375 12.7,0.75 9.5,0.75 9.5,-0.5 9.126,-0.874 7.925,-0.874 7.925,-0.625 8.375,-0.625 8.625,-0.375 8.625,2.5 8.875,2.75 12.1,2.75 12.1,3.375
"+5V EXT_1" on Bottom Layer (Signal) "GND2 bottom layer" (solid, pour order 4): 7.925,-1.075 9.575,-1.075 11.25,-2.75 11.25,-6.75 10.5,-7.5 10.5,-10 6,-10 3,-7 3,-2.25 4.225,-1.15 4.325,-1.075 5.825,-1.075 5.825,-1.324 5.649,-1.5 4.75,-1.5 4,-2.25 4,-5.75 9.25,-5.75 9.25,-4.5 10,-3.75 9.5,-3.25 9.5,-2.5 8.25,-1.5 8.176,-1.324 7.925,-1.324
GND on Bottom Layer (Signal) "GND2 bottom layer" (solid, pour order 57): 5.275,13.6 -14.19,13.6 -14.215,13.625 -14.215,14.36 -12.1,16.475 5.275,16.475
"+5V EXT" on Bottom Layer (Signal) "GND2 bottom layer" (solid, pour order 3): 5.825,-0.874 5.824,-0.875 4.25,-0.875 3.5,-0.125 3.5,5.25 4.875,5.25 4.875,-0.25 5.25,-0.625 5.825,-0.625
GND on Bottom Layer (Signal) "NONET_L-01_P-001" (solid, pour order 6): 14.2,13.4 15,13.4 15,-15.4 14.2,-15.4
GND on Bottom Layer (Signal) "GND2 bottom layer" (solid, pour order 15): 15.004,-15.608 ccw(c15.004,-17.529) 13.083,-17.529 12.104,-17.529 12.104,-17.169 cw(c14.644,-17.169) 14.644,-14.629 15.004,-14.629
GND on Bottom Layer (Signal) "GND2 bottom layer" (solid, pour order 16): -13.056,-17.526 ccw(c-15.006,-17.526) -15.006,-15.577 -15.006,-14.626 -14.646,-14.626 cw(c-14.646,-17.166) -12.106,-17.166 -12.106,-17.526 -13.056,-17.526
GND on Bottom Layer (Signal) "NONET_L-01_P-001" (solid, pour order 12): -15,15 -14.2,15 -14.2,-15.45 -15,-15.45
GND on Bottom Layer (Signal) "NONET_L-01_P-001" (solid, pour order 5): 7.05,17 7.05,16.425 -12.95,16.425 -12.95,17
GND on Top Layer (Signal) "GND2 bottom layer" (solid, pour order 22): -15.004,-15.604 cw(c-15.004,-17.554) -13.054,-17.554 -12.104,-17.554 -12.104,-17.194 ccw(c-14.644,-17.194) -14.644,-14.654 -15.004,-14.654 -15.004,-15.604
GND on Top Layer (Signal) "NONET_L-01_P-001" (solid, pour order 19): -14.2,14.8 -15.003,14.8 -15.003,-15.425 -14.2,-15.425
GND on Top Layer (Signal) "NONET_L-01_P-001" (solid, pour order 18): -13,17 -13,16.425 7.319,16.425 7.319,17
GND on Top Layer (Signal) "GND2 bottom layer" (solid, pour order 23): 13.056,-17.551 cw(c15.006,-17.551) 15.006,-15.602 15.006,-14.651 14.646,-14.651 ccw(c14.646,-17.191) 12.106,-17.191 12.106,-17.551 13.056,-17.551
GND on Top Layer (Signal) "GND2 bottom layer" (solid, pour order 55): 5.275,13.6 -14.2,13.6 -14.225,13.625 -14.225,14.29 -12.015,16.5 5.275,16.5
GND on Top Layer (Signal) "NONET_L-01_P-001" (solid, pour order 21): 15,13.633 14.2,13.633 14.2,-15.475 15,-15.475
GND on Top Layer (Signal) "GND2 bottom layer" (solid, pour order 24): -13.075,17 cw(c-15.025,17) -15,15.051 -15,14.1 -14.665,14.1 ccw(c-14.665,16.64) -12.125,16.64 -12.125,17
GND on Top Layer (Signal) "NONET_L-01_P-001" (solid, pour order 20): 13.1,-17.55 13.1,-16.75 -12.7,-16.75 -12.7,-17.55
GND on Layer 1 (GND) "NONET_L-01_P-001" (solid, pour order 28): 15,13.4 -14.8,13.4 -14.8,-15.475 15,-15.475
GND on Layer 1 (GND) "NONET_L-01_P-001" (solid, pour order 27): 5.275,-17.55 5.275,16.525 -12.7,16.525 -12.7,-17.55
GND on Layer 1 (GND) "NONET_L-01_P-001" (solid, pour order 25): -13,17 -13,16.425 7.05,16.425 7.05,17
GND on Layer 1 (GND) "GND2 bottom layer" (solid, pour order 60): 5.275,-15.475 5.275,-17.55 7.5,-17.55 7.5,-15.4 5.35,-15.4
GND on Layer 1 (GND) "NONET_L-01_P-001" (solid, pour order 26): -14.2,14.8 -15,14.8 -15,-15.425 -14.2,-15.425
GND on Layer 1 (GND) "GND2 bottom layer" (solid, pour order 29): -15.004,-15.604 cw(c-15.004,-17.554) -13.054,-17.554 -12.104,-17.554 -12.104,-17.194 ccw(c-14.644,-17.194) -14.644,-14.654 -15.004,-14.654 -15.004,-15.604
GND on Layer 1 (GND) "GND2 bottom layer" (solid, pour order 34): -14.2,13.4 -12.7,13.4 -12.6,15.2 -14.2,14.3
GND on Layer 1 (GND) "GND2 bottom layer" (solid, pour order 30): 13.056,-17.551 cw(c15.006,-17.551) 15.006,-15.602 15.006,-14.651 14.646,-14.651 ccw(c14.646,-17.191) 12.106,-17.191 12.106,-17.551 13.056,-17.551
GND on Layer 1 (GND) "GND2 bottom layer" (solid, pour order 31): -13.075,17 cw(c-15.025,17) -15.025,15.05 -15.025,14.1 -14.665,14.1 ccw(c-14.665,16.64) -12.125,16.64 -12.125,17 -13.075,17
GND on Layer 1 (GND) "GND2 bottom layer" (solid, pour order 32): 12.106,-17.551 12.106,-17.55 7.5,-17.55 7.5,-15.4 13.3,-15.4
+3.3V_Layer on Layer 3 (PWR) "NONET_L-01_P-001" (solid, pour order 38): 15,13.4 -14.8,13.4 -14.8,-15.475 15,-15.475
+3.3V_Layer on Layer 3 (PWR) "NONET_L-01_P-001" (solid, pour order 37): 5.277,-17.553 5.277,17 -12.95,17 -12.95,-17.553
+3.3V_Layer on Layer 3 (PWR) "GND2 bottom layer" (solid, pour order 40): 13.056,-17.551 cw(c15.006,-17.551) 15.006,-15.602 15.006,-14.651 14.646,-14.651 ccw(c14.646,-17.191) 12.106,-17.191 12.106,-17.551 13.056,-17.551
+3.3V_Layer on Layer 3 (PWR) "NONET_L-01_P-001" (solid, pour order 35): -13,17 -13,16.425 7.05,16.425 7.05,17
+3.3V_Layer on Layer 3 (PWR) "GND2 bottom layer" (solid, pour order 41): -13.075,17 cw(c-15.025,17) -15.025,15.05 -15.025,14.1 -14.665,14.1 ccw(c-14.665,16.64) -12.125,16.64 -12.125,17 -13.075,17
+3.3V_Layer on Layer 3 (PWR) "GND2 bottom layer" (solid, pour order 39): -15.004,-15.604 cw(c-15.004,-17.554) -13.054,-17.554 -12.104,-17.554 -12.104,-17.194 ccw(c-14.644,-17.194) -14.644,-14.654 -15.004,-14.654 -15.004,-15.604
+3.3V_Layer on Layer 3 (PWR) "GND2 bottom layer" (solid, pour order 44): -14.2,13.4 -12.7,13.4 -12.6,15.2 -14.2,14.3
+3.3V_Layer on Layer 3 (PWR) "GND2 bottom layer" (solid, pour order 42): 12.106,-17.551 12.106,-17.55 7.5,-17.55 7.5,-15.4 13.3,-15.4
GND on Layer 4 (GND) "NONET_L-01_P-001" (solid, pour order 48): 15,13.4 -14.8,13.4 -14.8,-15.575 15,-15.575
GND on Layer 4 (GND) "NONET_L-01_P-001" (solid, pour order 47): 5.275,-17.55 5.275,16.2 -12.7,16.2 -12.7,-17.55
GND on Layer 4 (GND) "GND2 bottom layer" (solid, pour order 59): 5.275,-15.575 7.5,-15.575 7.5,-17.55 5.275,-17.55 7.5,-17.55 5.275,-17.55
GND on Layer 4 (GND) "GND2 bottom layer" (solid, pour order 50): 13.056,-17.551 cw(c15.006,-17.551) 15.006,-15.602 15.006,-14.651 14.646,-14.651 ccw(c14.646,-17.191) 12.106,-17.191 12.106,-17.551 13.056,-17.551
GND on Layer 4 (GND) "NONET_L-01_P-001" (solid, pour order 46): -14.2,14.8 -15,14.8 -15,-15.425 -14.2,-15.425
GND on Layer 4 (GND) "GND2 bottom layer" (solid, pour order 49): -15.004,-15.604 cw(c-15.004,-17.554) -13.054,-17.554 -12.104,-17.554 -12.104,-17.194 ccw(c-14.644,-17.194) -14.644,-14.654 -15.004,-14.654 -15.004,-15.604
GND on Layer 4 (GND) "NONET_L-01_P-001" (solid, pour order 45): -13,17 -13,16.2 5.275,16.2 5.275,17
GND on Layer 4 (GND) "GND2 bottom layer" (solid, pour order 54): -14.2,13.4 -12.7,13.4 -12.6,15.2 -14.2,14.3
GND on Layer 4 (GND) "GND2 bottom layer" (solid, pour order 52): 12.106,-17.551 12.106,-17.55 7.5,-17.55 7.5,-15.4 13.3,-15.4
GND on Layer 4 (GND) "GND2 bottom layer" (solid, pour order 51): -13.075,17 cw(c-15.025,17) -15.025,15.05 -15.025,14.1 -14.665,14.1 ccw(c-14.665,16.64) -12.125,16.64 -12.125,17 -13.075,17

## Silkscreen, mask and mechanical layers (free items; w line width, h text height)
Top Overlay:
  drawing of 15 lines, arcs and shapes, not listed
  text "MLB FC" at 4.525,5.85 h1 r90
  text "BOOT0" at 10.05,-7.653 h1.5
  text "+3.3V" at 10.125,-8.489 h1
  text "USB-C" at 1.775,-9.953 h1.5
  text "RESET" at 7.15,-13.76 h1
  text "GND" at 10.525,-15.065 h1
  text "TX" at -10.15,-17 h1.3
  text "RX" at -8.049,-17 h1.3
Bottom Overlay:
  rectangle: -5.525,14.3 -3.525,16.3
  text "REV A" at -7.975,15.675 h1
  text "11/25" at -7.975,14.075 h1
  text "DUST1 M-BOARD / POLIMI" at 14.525,13.45 h1.2
  text "ST-LINK" at -6.9,12.122 h1.5
  text "PWR" at 14.314,4.73 h1.5
  text "+5V" at 10.634,4.655 h1
  text "SD-CARD" at -3.2,-7.378 h1.5
Mechanical 1:
  lines w0.254: 13.425,-18 -13.5,-18 ccw(c-15.5,-18) -15.5,-16 -15.5,15.5 ccw(c-15.5,17.5) -13.5,17.5 14.817,17.5 cw(c14.817,16.817) 15.5,16.817 ; 13.5,-18 cw(c15.5,-18) 15.5,-16 ; 15.5,-15.925 15.5,16.767
Mechanical 13:
  lines w0.1: -13.4,-0.7 -9.825,-0.7 -9.825,7.175 -11.825,7.175 -13.4,7.175 -13.4,-0.7
  lines w0.15: -15.5,13.125 14.75,13.125

## Text inside footprints (layer, text, board x,y; h text height)
J1: Mechanical 13 "PCB EDGE" at 5.4,-18.75 h1
U3: Mechanical 13 "*" at 6.61,-0.107 h1.27 r90